# Altium PCB DCDCv1.1.PcbDoc (part 1 of 5)
Units mm, origin at the board's own origin, x right, y up, seen from the top; angles counter-clockwise.
Board outline 127.68 x 67.28 mm, 4 copper layers (Top Layer, GND1, GND2, Bottom Layer), stack 0.604 mm thick; 389 components, 257 nets, 1185 pads, 626 vias.
Unrouted connection lines stored in the file: 1.
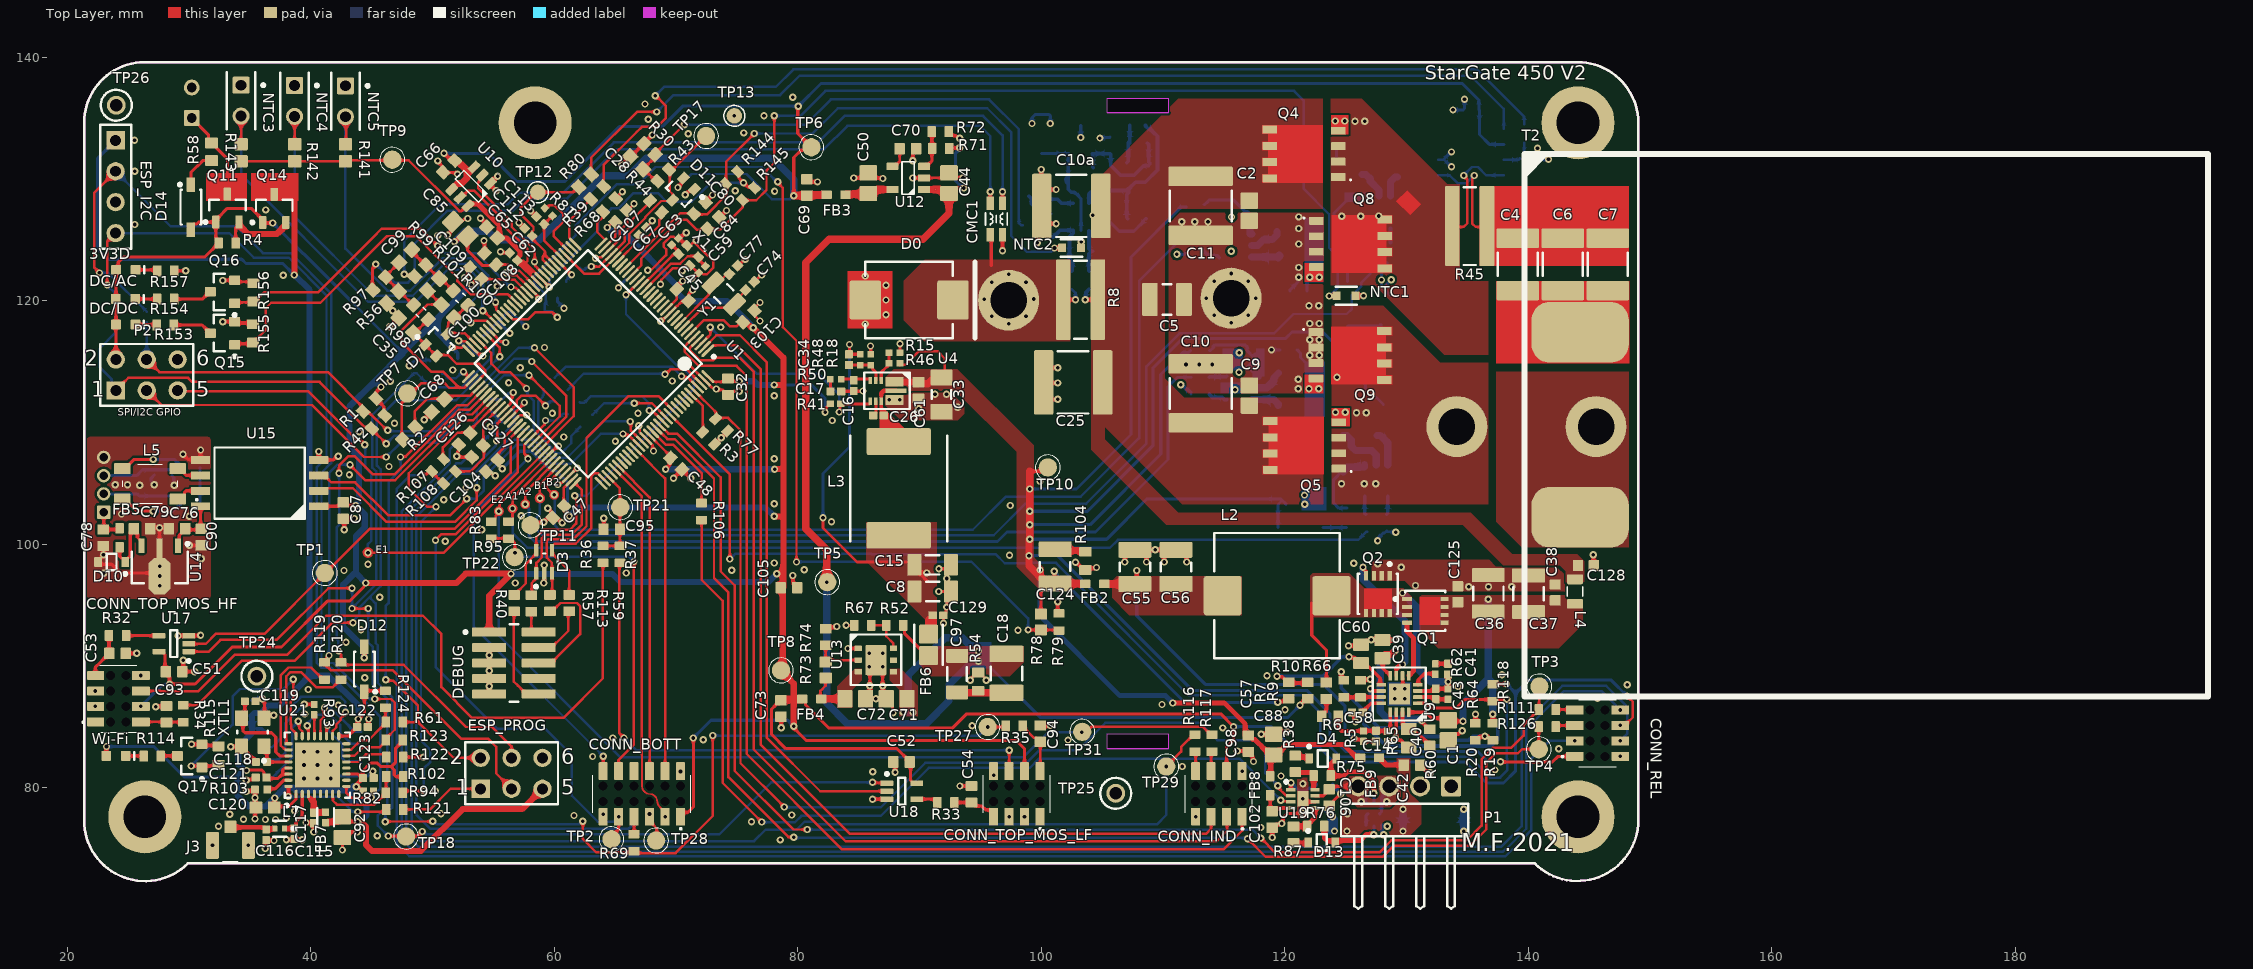
[diagram p0: Top Layer view]
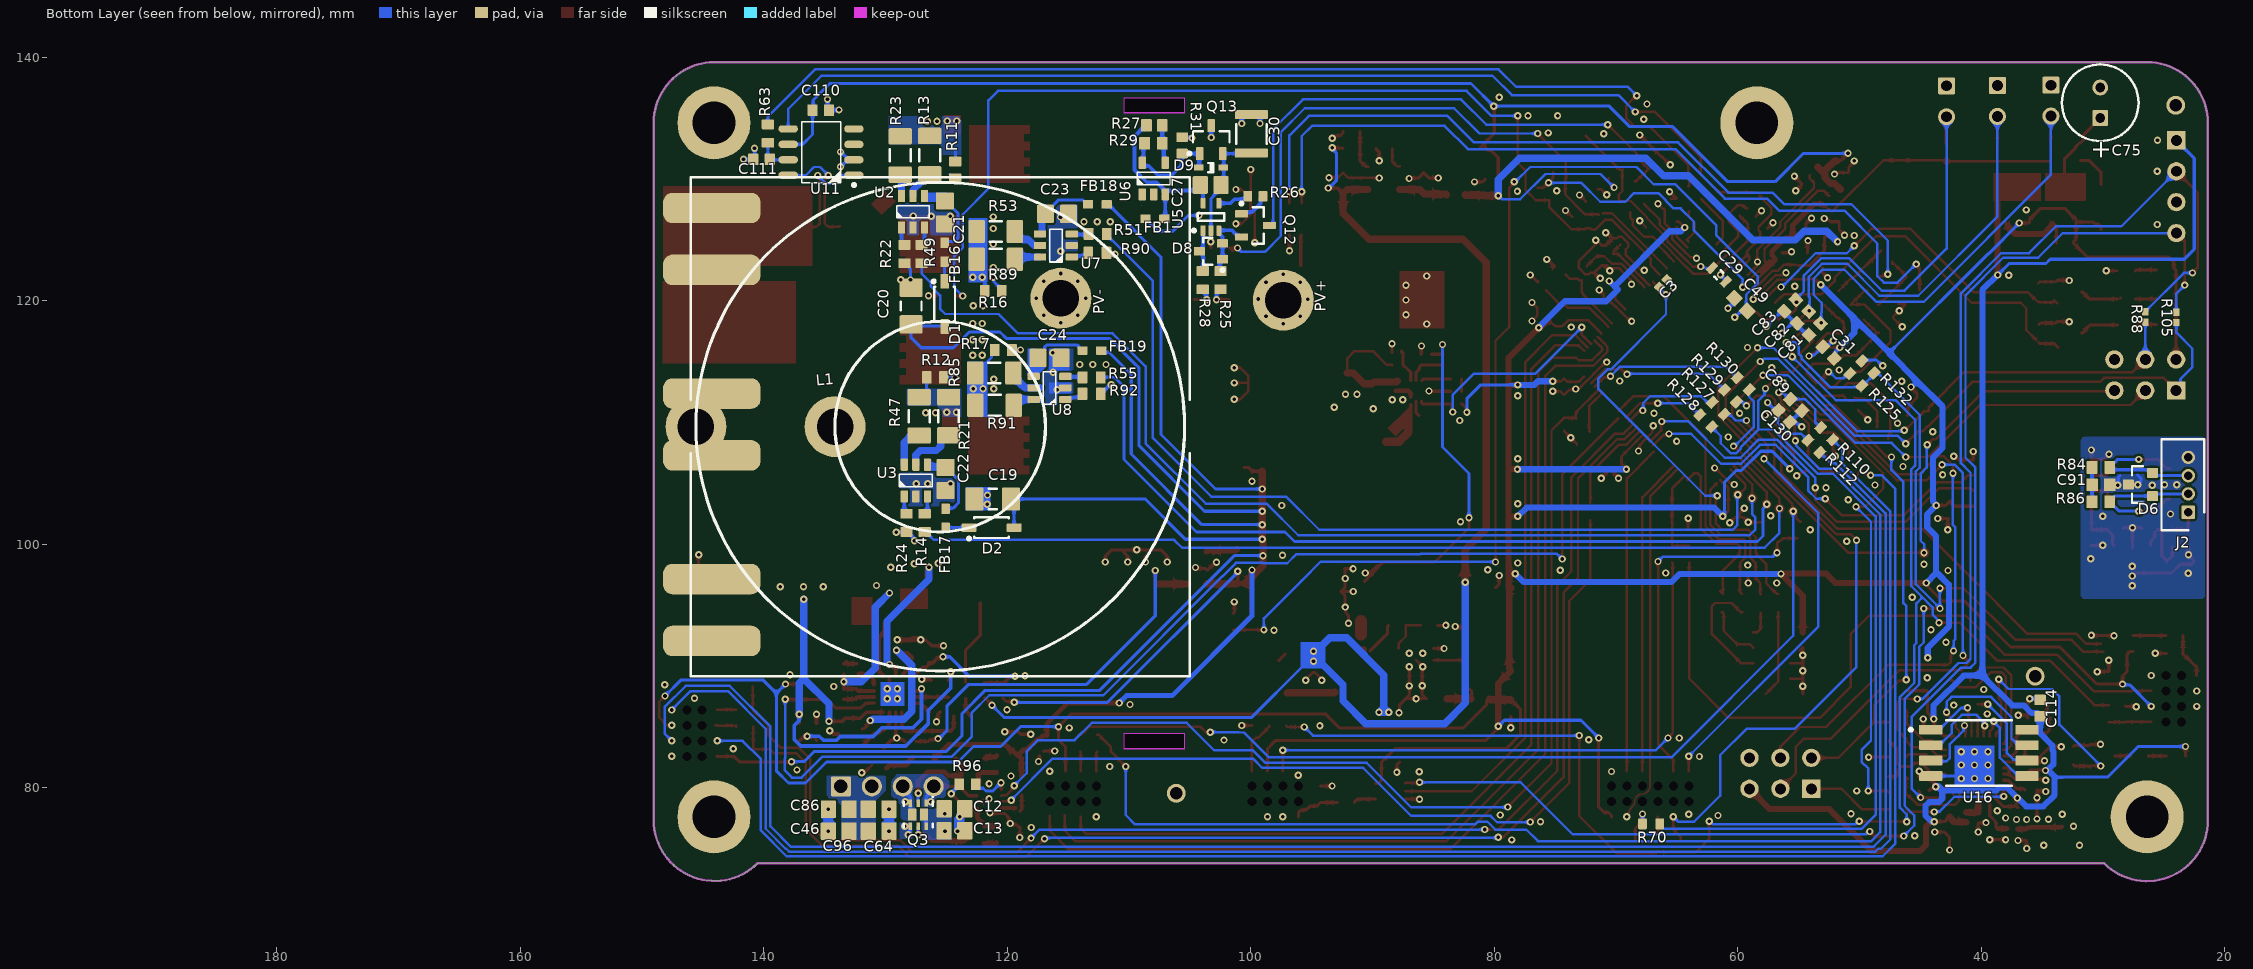
[diagram p1: Bottom Layer view, seen from below]
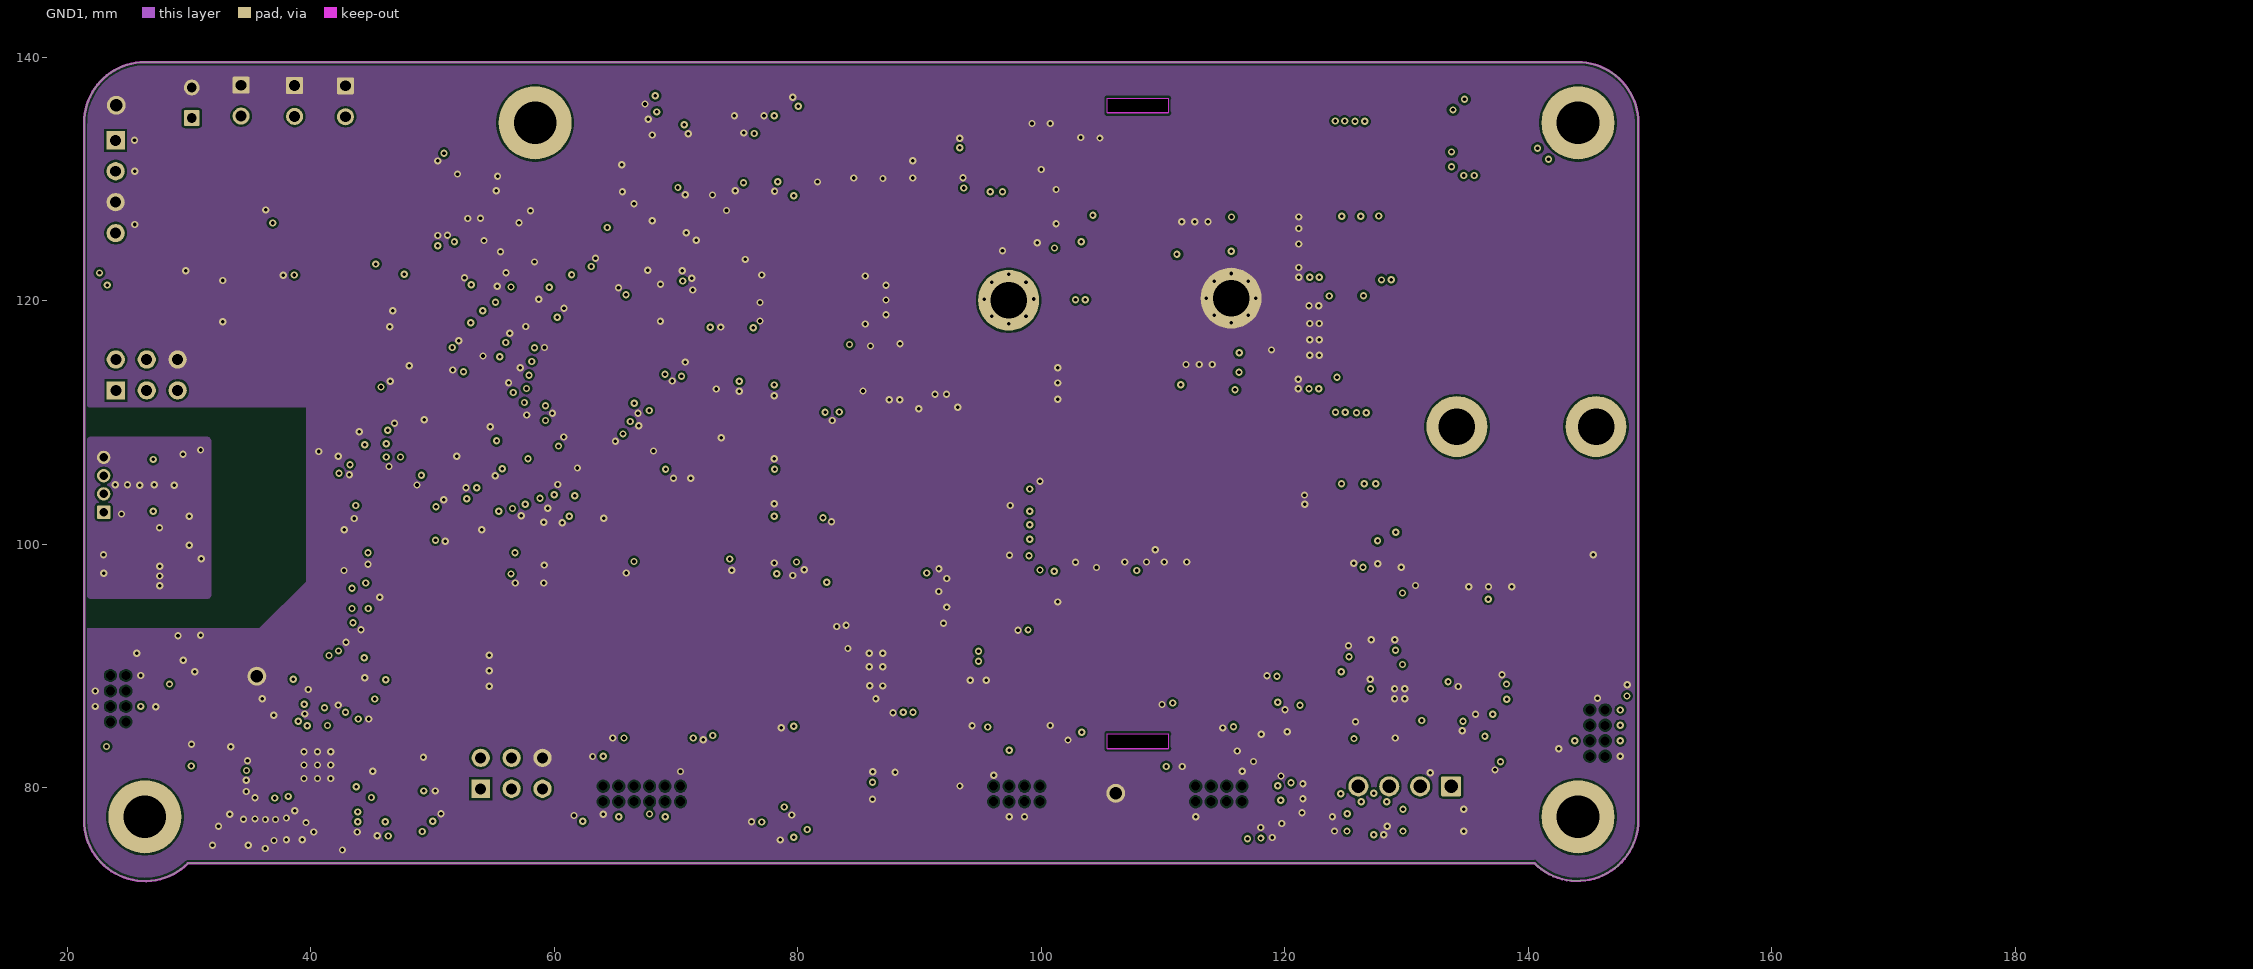
[diagram p2: GND1]
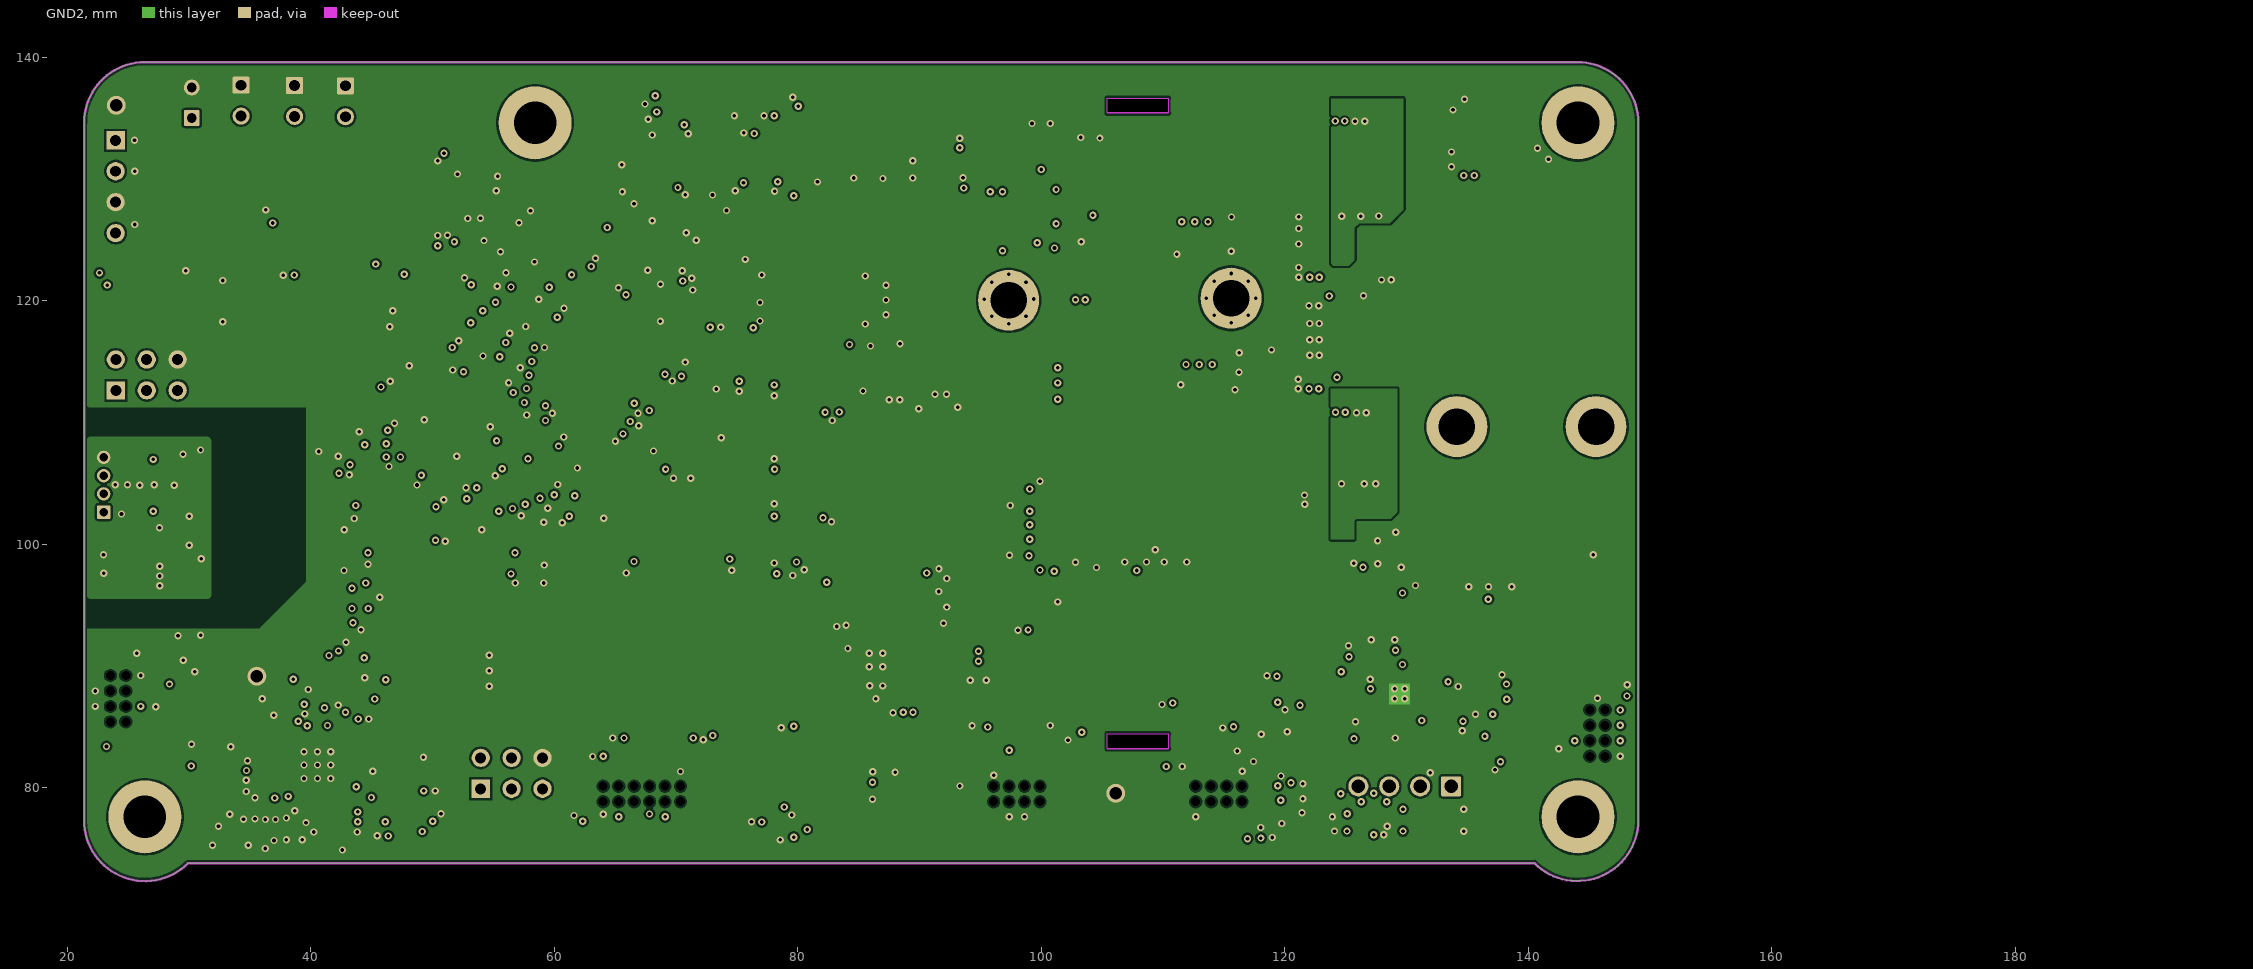
[diagram p3: GND2]

## Layer stack, top to bottom
Top Solder: solder mask 0.01, Solder Resist, Dk 3.5
Top Layer: signal copper 0.036
Dielectric 2: prepreg 0.071, PP-006, Dk 4.1
GND1: signal copper 0.035
Dielectric 1: dielectric 0.32, FR-4, Dk 4.8
GND2: signal copper 0.035
Dielectric 3: prepreg 0.071, PP-006, Dk 4.1
Bottom Layer: signal copper 0.036
Bottom Solder: solder mask 0.01, Solder Resist, Dk 3.5

## Board outline
21.376,77.342 21.377,134.618 cw(c26.377,134.618) 26.377,139.618 26.387,139.618 144.075,139.621 144.052,139.618 cw(c144.052,134.618) 149.052,134.618 149.05,134.618 149.05,77.325 149.05,77.35 cw(c144.05,77.35) 140.514,73.814 140.5,73.815 29.925,73.815 29.911,73.807 cw(c26.376,77.342)
cut-out: 105.435,83.231 105.435,84.431 110.435,84.431 110.435,83.231
cut-out: 105.437,135.442 105.437,136.642 110.437,136.642 110.437,135.442

## Design rules (kind name [scope] priority, off if disabled: settings)
Clearance Clearance_T2 [HasFootprint('ETD39-K-V-16P-HORIZONTAL-PRI')] p1: gap=0 ignorepadtopadclearanceinfootprint=FALSE
Clearance Clearance_ConnectorSamtec [(HasFootprint('CLP-104-02-XXX-D-BE') or HasFootprint('CLP-106-02-XXX-D-BE') or HasFootprint('NXP-SOT1118_L'))] p2: gap=0.152 ignorepadtopadclearanceinfootprint=FALSE except(0: SMDPad-SMDPad SMDPad-THPad SMDPad-Hole THPad-THPad; 0.178: Arc-Text Track-Text SMDPad-Text)
Clearance Clearance_MCU [(HasFootprint('LQFP-128') or  HasFootprint('AP63357QZV7') or HasFootprint('SON50P200X200X100-9N'))] p3: gap=0.152 ignorepadtopadclearanceinfootprint=FALSE
Clearance ClearancePGNDS [InNet('PGNDs')] p4: gap=0.203 ignorepadtopadclearanceinfootprint=FALSE
Clearance ClearancePGND [InNet('PGND')] p5: gap=0.203 ignorepadtopadclearanceinfootprint=FALSE
Clearance [All] p6: gap=0.178 ignorepadtopadclearanceinfootprint=FALSE
ComponentClearance ComponentClearance_2 [HasFootprint('IND LLC')] p1: gap=0 collisioncheckmode=3 verticalgap=0 showdistances=FALSE
ComponentClearance ComponentClearance_1 [HasFootprint('ETD39-K-V-16P-HORIZONTAL-PRI')] p2: gap=0 collisioncheckmode=3 verticalgap=0 showdistances=FALSE
ComponentClearance [All] p3: gap=0.254 collisioncheckmode=3 verticalgap=0.254 showdistances=FALSE
DiffPairsRouting [All] p1: maxlimit=0.45 minlimit=0.254 mostfreqgap=0.45 toplayer_minwidth=0.254 toplayer_maxwidth=0.381 toplayer_prefwidth=0.381 midlayer1_minwidth=0.254 midlayer1_maxwidth=0.381 midlayer1_prefwidth=0.381 midlayer2_minwidth=0.254 midlayer2_maxwidth=0.381 midlayer2_prefwidth=0.381 bottomlayer_minwidth=0.254 bottomlayer_maxwidth=0.381 bottomlayer_prefwidth=0.381 maxuncoupledlength=12.7
PolygonConnect PolygonConnect_2 [IsVia] p1: connectstyle=Direct reliefconductorwidth=0.254 reliefentries=4 polygonreliefangle="90 Angle" airgapwidth=0.254
PolygonConnect PolygonConnect_1 [InNet('GND') vs OnLayer('Top Layer') or OnLayer('Bottom Layer')] p2: connectstyle=Direct reliefconductorwidth=0.254 reliefentries=4 polygonreliefangle="90 Angle" airgapwidth=0.18
PolygonConnect [All] p3: connectstyle=Direct reliefconductorwidth=0.254 reliefentries=4 polygonreliefangle="90 Angle" airgapwidth=0.254
RoomDefinition WIFI [InComponentClass('WIFI')] p1: confinementstyle=ConfineIn formatcopy=TRUE lockcomponents=FALSE outline 0,0 50.8,0 50.8,25.4 0,25.4
RoomDefinition Power_Stage [InComponentClass('Power_Stage')] p2: confinementstyle=ConfineIn formatcopy=TRUE lockcomponents=FALSE outline 0,0 50.8,0 50.8,25.4 0,25.4
RoomDefinition MCU [InComponentClass('MCU')] p3: confinementstyle=ConfineIn formatcopy=TRUE lockcomponents=FALSE outline 0,0 50.8,0 50.8,25.4 0,25.4
RoomDefinition LV_BUCK [InComponentClass('LV_BUCK')] p4: confinementstyle=ConfineIn formatcopy=TRUE lockcomponents=FALSE outline 0,0 50.8,0 50.8,25.4 0,25.4
RoomDefinition ISO_IO [InComponentClass('ISO_IO')] p5: confinementstyle=ConfineIn formatcopy=TRUE lockcomponents=FALSE outline 0,0 50.8,0 50.8,25.4 0,25.4
RoomDefinition HV_BUCK_V2 [InComponentClass('HV_BUCK_V2')] p6: confinementstyle=ConfineIn formatcopy=TRUE lockcomponents=FALSE outline 0,0 50.8,0 50.8,25.4 0,25.4
RoutingVias [All] p1: holewidth=0.3 width=0.6 viastyle="Through Hole" minholewidth=0.3 minwidth=0.6 maxholewidth=0.711 maxwidth=1.27
SolderMaskExpansion [All] p1: expansion=0.06 istentingtop=FALSE
Width [All] p1: maxlimit=10 minlimit=0.152 preferedwidth=0.254
28 further rules are at their usual default settings.

## Classes and differential pairs
component class ISO_Power: C12 C13 C42 C46 C64 C86 C88 C96 C98 C102 C106 D4 D13 FB8 FB9 P1 Q3 R38 R75 R76 R77 R87 R96 R106 U19
component class WIFI: C75 C92 C114 C115 C116 C117 C118 C119 C120 C121 C122 C123 D12 D14 ESP_I2C ESP_PROG FB7 J3 L7 Q11 Q14 Q17 R4 R58 R61 R82 R88 R93 R94 R102 R103 R105 R114 R115 R119 R120 R121 R122 R123 R124 U16 U21 Wi-Fi XTL1
component class CAN: C76 C78 C79 C87 C90 C91 D6 D10 FB5 J2 L5 R84 R86 U14 U15
component class LV_BUCK: C8 C15 C16 C17 C18 C26 C33 C34 C44 C50 C61 C69 C70 C71 C72 C73 C97 C129 FB3 FB4 FB6 L3 R15 R18 R41 R46 R48 R50 R52 R54 R67 R71 R72 R73 R74 TP5 TP6 TP8 U4 U12 U13
component class HV_BUCK_V2: C1 C14 C36 C37 C38 C39 C40 C41 C43 C55 C56 C57 C58 C60 C124 C125 C128 FB2 L2 L4 Q1 Q2 R5 R6 R7 R9 R10 R19 R20 R60 R62 R64 R65 R66 R104 R118 TP10 U9
component class ISO_IO: c C51 C52 C53 C54 C89 C93 C94 C95 C130 CONN_BOTT CONN_IND CONN_REL CONN_TOP_MOS_HF CONN_TOP_MOS_LF R32 R33 R34 R35 R36 R37 R69 R70 R83 R95 R110 R111 R112 R116 R117 R126 R127 R128 R129 R130 R132 T1 T3 T4 TP21 TP22 TP27 TP28 TP29 TP31 U17 U18
component class Power_Stage: C2 C4 C5 C6 C7 C9 C10 C10a C11 C19 C20 C21 C22 C23 C24 C25 C110 C111 C112 D0 D1 D2 FB16 FB17 FB18 FB19 L1 PV+ PV- Q4 Q5 Q8 Q9 R8 R11 R12 R13 R14 R16 R17 R21 R22 R23 R24 R45 R47 R49 R51 R53 R55 R63 R80 R85 R89 R90 R91 R92 T2 TP12 TP13 U2 U3 U7 U8 U11
component class MCU: 3V3D C3 C27 C28 C29 C30 C31 C32 C35 C45 C47 C48 C49 C59 C62 C63 C65 C66 C67 C68 C74 C77 C80 C81 C82 C83 C84 C85 C99 C100 C103 C104 C105 C107 C108 C109 C113 C126 C127 CMC1 D3 D7 D8 D9 D11 DC/AC DC/DC DEBUG FB1 NTC1 NTC2 NTC3 NTC4 NTC5 P2 Q12 Q13 Q15 Q16 R1 R2 R3 R25 R26 R27 R28 R29 R30 R31 R39 R40 R42 R43 R44 R56 R57 R59 R68 R78 R79 R81 R97 R98 R99 R100 R101 R107 R108 R113 R125 R141 R142 R143 R144 R145 R153 R154 R155 R156 R157 TP1 TP2 TP3 TP4 TP7 TP9 TP11 TP17 TP18 TP24 TP25 TP26 U1 U5 U6 U10 X1 Y1

## Components (designator, comment, footprint, x,y, rotation, side; value= is the part's Value field where it differs from the comment)
3V3D "150060GS75000" 0603_A 24.81,122.55 r180 top
C1 "100 nF" CAPC2013X94X50NL20T25 133.45,84.725 r90 top
C2 "100 nF" CAPC2013X94X50NL20T25 117.1,127.4 r90 top
C3 "100nF" CAPC1005X56X25NL10T15 66.15,121.45 r315 bottom
C4 "CAP 470nF 250V 1812(4532)" CAPC1812(4532)190_M 139.15,123 r270 top value=470nF
C5 "4.7uF" CAPC3225X279X50NL20T25 110.325,120.125 r180 top
C6 "CAP 470nF 250V 1812(4532)" CAPC1812(4532)190_M 142.85,123 r270 top value=470nF
C7 "CAP 470nF 250V 1812(4532)" CAPC1812(4532)190_M 146.55,123 r270 top value=470nF
C8 "47uF" CAPC1206(3216)190_N 91.1,96.125 r180 top value=22uF
C9 "100 nF" CAPC2013X94X50NL20T25 117.1,112.225 r270 top
C10 "10 uF/100 V/2220" CAPC5750X279X64LL40T39 113.102,112.405 r270 top
C10a "10 uF/100 V/2220" CAPC5750X279X64LL40T39 102.475,127.8 r0 top
C11 "10 uF/100 V/2220" CAPC5750X279X64LL40T39 113.102,127.805 r90 top
C12 "10uF" CAPC2013X140X45NL15T25 124.341,78.279 r180 bottom
C13 "10uF" CAPC2013X140X45NL15T25 124.35,76.475 r180 bottom
C14 "2.2nF" CAPC1005X56X25NL10T15 127.5,84.25 r270 top
C15 "47uF" CAPC1206(3216)190_N 91.075,98.325 r180 top value=22uF
C16 "15pF" CAPC1005X56X25NL10T15 84.609,113.044 r90 top
C17 "22nF" CAPC1005X56X25NL10T15 83.134,112.569 r180 top
C18 "CAP 47uF" CAPC1210(3225)280_M 97.15,89.4 r90 top value=47uF
C19 "C1206C105K3RACTU" CAPC3216X180X50ML20T25 121.2,103.725 r180 bottom
C20 "C1206C105K3RACTU" CAPC3216X180X50ML20T25 127.9,119.575 r270 bottom
C21 "330nF" CAPC2013X135X45ML10T25 125.125,127.275 r90 bottom
C22 "330nF" CAPC2013X135X45ML10T25 125.075,105.375 r90 bottom
C23 "330nF" CAPC2013X135X45ML10T25 115.925,127.15 r0 bottom
C24 "330nF" CAPC2013X135X45ML10T25 116.538,115.326 r0 bottom
C25 "10 uF/100 V/2220" CAPC5750X279X64LL40T39 102.625,113.3 r0 top
C26 "100nF" CAPC1005X56X25NL10T15 86.634,110.594 r180 top
C27 "10uF" CAPC2013X140X45NL15T25 103.3,129.525 r180 bottom
C28 "1nF" CAPC1608X90X35NL15T15#1 66.766,131.338 r315 top
C29 "4.7nF" CAPC1608X90X20NL10 61.55,122.15 r45 bottom
C30 "2.2 uF / 100 V" CAPC3225X250X20LL40 99.95,133.725 r270 bottom
C31 "100nF" CAPC1608X90X35NL10T15 52.55,115.75 r225 bottom
C32 "100nF" CAPC1608X90X35NL10T15 74.275,112.95 r90 top
C33 "4.7uF" CAPC3216X180X50NL20T25 91.825,112.3 r90 top
C34 "10pF" CAPC1005X56X25NL10T15 84.209,115.169 r90 top
C35 "1nF" CAPC1608X90X35NL15T15#2 47.825,118 r135 top
C36 "CAP 2.2uF 100V" CAPC1210(3225)280_N 136.725,95.975 r270 top value=2.2uF
C37 "CAP 2.2uF 100V" CAPC1210(3225)280_N 140.025,95.95 r270 top value=2.2uF
C38 "3.3nF" CAPC1608X90X35LL15T15 142.225,96.05 r270 top
C39 "4.7uF" CAPC2013X135X45LL10T25 128.025,91.4 r270 top
C40 "4.7uF" CAPC2013X135X45LL10T25 130.2,84.075 r90 top
C41 "100nF" CAPC1005X56X25NL10T15 133.425,89.75 r90 top
C42 "100nF" CAPC1608X90X35NL10T15 130.45,81.875 r180 top
C43 "2.2nF" CAPC1005X56X25NL10T15 132.406,87.709 r270 top
C44 "10uF" CAPC2013X140X45NL15T25 92.425,129.675 r270 top
C45 "100nF" CAPC1608X90X35NL10T15 70.55,120.475 r135 top
C46 "10uF" CAPC2013X140X45NL15T25 130.575,78.25 r0 bottom
C47 "100nF" CAPC1608X90X35NL10T15 60.35,102.675 r45 top
C48 "100nF" CAPC1608X90X35NL10T15 70.023,106.627 r135 top
C49 "1uF" CAPC1608X86X35NL15T15 59.75,119.7 r225 bottom
C50 "10uF" CAPC2013X140X45NL15T25 85.8,129.675 r270 top
C51 "100nF" CAPC1608X90X35NL10T15 28.775,89.55 r180 top
C52 "100nF" CAPC1608X90X35NL10T15 88.525,82.125 r0 top
C53 "100pF" CAPC1608X90X35NL10T15 24.125,91.05 r180 top
C54 "100pF" CAPC1608X90X35NL10T15 94.275,79.475 r270 top
C55 "22uF" CAPC3225X279X50NL20T25 107.7,98.15 r270 top
C56 "22uF" CAPC3225X279X50NL20T25 111.075,98.15 r270 top
C57 "100nF" CAPC1608X90X35NL10T15 123.425,87.975 r90 top
C58 "10nF" CAPC1005X56X25NL10T15 125.975,86.2 r0 top
C59 "6.8pF" CAPC1005X56X25LL10T15 72.144,122.576 r45 top
C60 "4.7uF" CAPC2013X135X45LL10T25 126.275,91 r270 top
C61 "100nF" CAPC1608X90X35NL10T15 89.925,112.65 r90 top
C62 "100nF" CAPC1005X56X25NL10T15 56.654,123.631 r315 top
C63 "6.8pF" CAPC1005X56X25LL10T15 69.917,124.874 r225 top
C64 "10uF" CAPC2013X140X45NL15T25 130.575,76.45 r0 bottom
C65 "10uF" CAPC1608X90X40NL10T20 54.886,125.611 r315 top
C66 "100nF" CAPC1608X90X35NL10T15 51.35,131.05 r45 top
C67 "1nF" CAPC1005X56X25NL10T15 67.25,125.725 r225 top
C68 "1nF" CAPC1608X90X35NL15T15#1 50.45,111.4 r45 top
C69 "100nF" CAPC1608X90X35NL10T15 80.75,129.325 r270 top
C70 "10nF" CAPC1608X90X35NL10T15 89.05,132.5 r180 top
C71 "10uF" CAPC2013X140X45NL15T25 88.125,87.325 r0 top
C72 "10uF" CAPC2013X140X45NL15T25 84.725,87.325 r180 top
C73 "100nF" CAPC1608X90X35NL10T15 78.625,86.525 r90 top
C74 "20pF" CAPC1005X55X25ML05T10 76.075,121.225 r225 top
C75 "DSF125M3R0" CAPPR55-250-1120X630X1220 30.225,136.275 r90 bottom
C76 "100nF" CAPC1608X90X35NL10T15 29.018,101.296 r0 top
C77 "20pF" CAPC1005X55X25ML05T10 74.725,122.55 r225 top
C78 "100nF" CAPC1608X90X35NL10T15 22.968,100.546 r90 top
C79 "100nF" CAPC1608X90X35NL10T15 26.143,101.296 r180 top
C80 "100nF" CAPC1608X90X35NL10T15 71.95,127.625 r225 top
C81 "100nF" CAPC1608X90X35NL10T15 53.675,117.675 r135 bottom
C82 "100nF" CAPC1608X90X35NL10T15 54.65,118.65 r135 bottom
C83 "100nF" CAPC1608X90X35NL10T15 55.7,119.625 r135 bottom
C84 "100nF" CAPC1608X90X35NL10T15 73.075,126.4 r225 top
C85 "10uF" CAPC2013X140X45NL15T25 52.275,125.9 r315 top
C86 "10uF" CAPC2013X140X45NL15T25 133.85,78.25 r0 bottom
C87 "100nF" CAPC1608X90X35NL10T15 42.675,102.775 r90 top
C88 "10uF" CAPC2013X140X45NL15T25 119.1,83.55 r90 top
C89 "100pF" CAPC1608X90X35NL10T15 55.2,111.45 r45 bottom
C90 "100nF" CAPC1608X90X35NL10T15 30.993,100.596 r90 top
C91 "4.7nF" CAPC1608X90X35ML10T15 30.168,104.896 r180 bottom
C92 "10uF" CAPC2013X140X45NL15T25 42.6,76.775 r90 top
C93 "100pF" CAPC1608X90X35NL10T15 28.15,86.05 r270 top
C94 "100pF" CAPC1608X90X35NL10T15 99.925,84.45 r270 top
C95 "100pF" CAPC1608X90X35NL10T15 64.725,101.25 r0 top
C96 "10uF" CAPC2013X140X45NL15T25 133.858,76.446 r0 bottom
C97 "47uF" CAPC1206(3216)190_N 93.1,89.35 r90 top value=22uF
C98 "100nF" CAPC1608X90X35NL10T15 117.025,83.625 r90 top
C99 "1nF" CAPC1608X90X35NL15T15#1 47.775,123.675 r225 top
C100 "1nF" CAPC1608X90X35NL15T15#1 51.262,119.158 r315 top
C102 "100nF" CAPC1608X90X35NL10T15 118.975,77.4 r90 top
C103 "100nF" CAPC1608X90X35NL10T15 75.975,118.725 r225 top
C104 "100nF" CAPC1608X90X35NL10T15 54.875,106.45 r45 top
C105 "100nF" CAPC1608X90X35NL10T15 79.275,96.45 r180 top
C106 "100nF" CAPC1608X90X35NL10T15 123.65,79.2 r270 top
C107 "100nF" CAPC1608X90X35NL10T15 65.5,126.95 r225 top
C108 "100nF" CAPC1608X90X35NL10T15 54.745,123.454 r315 top
C109 "100nF" CAPC1608X90X35NL10T15 53.525,122.27 r315 top
C110 "100nF" CAPC1608X90X35NL10T15 135.325,135.675 r0 bottom
C111 "100nF" CAPC1608X90X35NL10T15 140.2,131.625 r180 bottom
C112 "10nF" CAPC1005X56X25NL10T15 57.874,125.646 r315 top
C113 "1nF" CAPC1005X56X25NL10T15 58.846,126.618 r315 top
C114 "100nF" CAPC1608X90X35NL10T15 35.15,86.55 r270 bottom
C115 "3.0pF" CAPC1005X55X25NL05T10 38.65,76.225 r90 top
C116 "2.4pF" CAPC1005X55X25NL05T10 36.325,76.15 r90 top
C117 "100nF" CAPC1005X56X25NL10T15 40.25,77.525 r90 top
C118 "10pF" CAPC1005X55X25NL05T10 35.95,82.125 r180 top
C119 "10pF" CAPC1005X55X25NL05T10 35.025,87.1 r0 top
C120 "1uF" CAPC1608X86X35NL15T15 36.25,78.375 r0 top
C121 "100nF" CAPC1005X56X25NL10T15 35.925,80.85 r0 top
C122 "100nF" CAPC1005X56X25NL10T15 44.25,85 r180 top
C123 "100nF" CAPC1005X56X25NL10T15 44.725,80.8 r180 top
C124 "22uF" CAPC3225X279X50NL20T25 101.15,98.2 r270 top
C125 "3.3nF" CAPC1608X90X35LL15T15 134.225,95.9 r270 top
C126 "100pF" CAPC1608X90X35NL10T15 52.625,108.675 r45 top
C127 "100pF" CAPC1608X90X35NL10T15 53.7,107.65 r45 top
C128 "3.3nF" CAPC1608X90X35LL15T15 144.75,98.275 r180 top
C129 "100nF" CAPC1005X56X25NL10T15 91.525,94.175 r180 top
C130 "100pF" CAPC1608X90X35NL10T15 56.2,110.525 r45 bottom
CMC1 "CMC1206S-222T" CHOKE_CM_1206SMD 96.325,126.725 r90 top
CONN_BOTT "CLP-106-02-F-D-BE" CLP-106-02-XXX-D-BE 67.2,79.5 r0 top locked
CONN_IND "CLP-104-02-F-D-BE" CLP-104-02-XXX-D-BE#1 114.6,79.5 r0 top
CONN_REL "CLP-104-02-F-D-BE" CLP-104-02-XXX-D-BE#1 145.7,84.5 r270 top locked
CONN_TOP_MOS_HF "CLP-104-02-F-D-BE" CLP-104-02-XXX-D-BE#2 24.175,87.325 r270 top
CONN_TOP_MOS_LF "CLP-104-02-F-D-BE" CLP-104-02-XXX-D-BE#1 98,79.5 r0 top locked
D0 "SMCJ51" FAIR-DO-214AB-2_V 89.15,120.075 r0 top
D1 "1N5819HW-7-F" DIOD-SOD-123-2_V 125.15,119.75 r90 bottom
D2 "1N5819HW-7-F" DIOD-SOD-123-2_V 121.3,101.375 r0 bottom
D3 "ESDA5V3SC5" FP-SOT323-5L-MFG 59.175,98.575 r90 top value=90pF
D4 "1N5819WS" ONSC-SOD-323-2-477-02_V 123.125,82.425 r0 top
D6 "DESD2CAN2SOQ-7" FP-SOT23-MFG 26.918,104.921 r0 bottom value=25pF
D7 "BAT54SWT1" ONSC-SOT-323-3-419-04_V 50.538,116.613 r45 top
D8 "BAT54SWT1" ONSC-SOT-323-3-419-04_V 103.275,124.075 r0 bottom
D9 "1N4148WT" FAIR-SOD-523F-2_V 103.275,130.95 r0 bottom
D10 "SD05T1G" ONSC-SOD-323-2-477-02_G_V 23.643,98.546 r180 top
D11 "BAT54SWT1" ONSC-SOT-323-3-419-04_V 70.39,128.952 r225 top
D12 "PMEG10010ELR" DIOD-SOD-123-2_V 44.4,89.75 r270 top
D13 "1N5819WS" ONSC-SOD-323-2-477-02_V 123.05,75.5 r0 top
D14 "PMEG10010ELR" DIOD-SOD-123-2_V 30.15,127.7 r90 top
DC/AC "150060GS75000" 0603_A 24.773,120.166 r180 top
DC/DC "150060YS75000" 0603_A 24.798,118.066 r180 top
DEBUG "FTSH-105-01-F-DV-K" SMTC-FTSH-105-01-L-DV-K_V 56.69,90.25 r270 top
ESP_I2C "Header 4" HDR1X4 23.975,133.19 r270 top